# Altium PCB FPGAboard.PcbDoc (part 1 of 2) (continued)
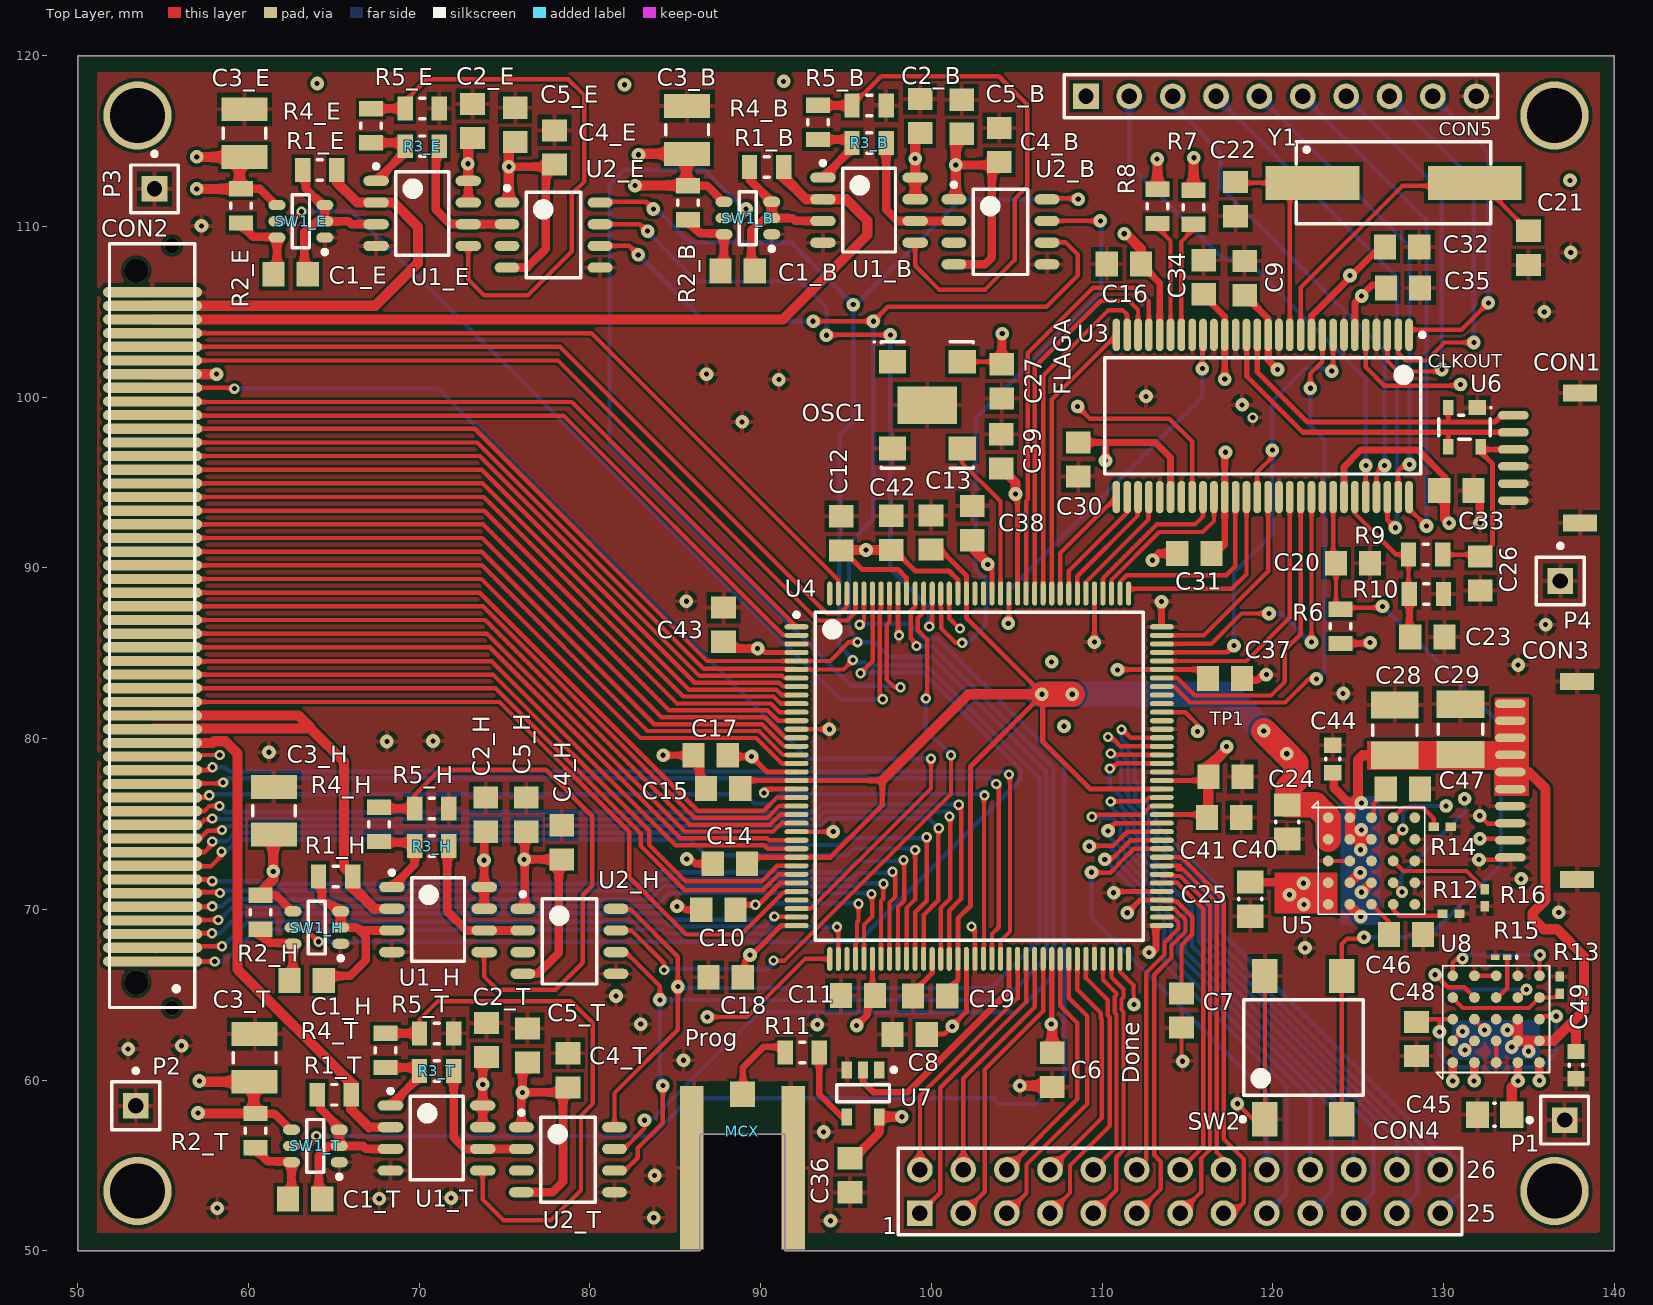
[diagram p0: Top Layer view]
## Footprints (in the part's own frame and the unit in brackets; to place one, negate y for a bottom-side part, rotate by r counter-clockwise, add the part's x,y. Pads: shape width x height; smd on the part's side, far side on the other; paste and mask are expansions set on the pad)
0402 [mm] "Chip Capacitor, Body 1.0x0.5mm, IPC High Density"
  rect 0.6x0.5 smd: 1(-0.5,0) 2(0.5,0)
  body extent -0.55,-0.3 0.55,0.3, height 1.3
0603 [mm] "Chip Inductor, Body 0.6x0.3mm, IPC High Density"
  rect 0.5x0.3 smd: 1(-0.35,0) 2(0.35,0)
  silkscreen extent -0.9,-0.05 -0.9,0.05, body extent -0.33,-0.18 0.33,0.18, height 0.55
0805_X7R_KEMET [mm]
  rect 1.3x1.45 smd: 1(-1,0) 2(1,0)
  body extent -0.9,-0.72 0.9,0.72, height 0.88
1210_X7R_KEMET_ABOVE4.7UF [mm]
  rect 1.4x2.7 smd: 1(-1.4,0) 2(1.4,0)
  silkscreen extent -0.3,-1.25 0.3,1.25, body extent -1.75,-1.35 1.75,1.35, height 2.8
ASVMB-100.000MHZ-XY-T [mm]
  rect 1.6x1.4 smd: 1(-2.04,2.54) 2(-2.04,-2.54) 3(2.04,-2.54) 4(2.04,2.54)
  rect 3.5x2.2 smd: 2(0,0)
  silkscreen extent -3.15,-3.7 2.7,3.75, body extent -2.55,-3.55 2.55,3.55, height 0.9
CAPC0603(1608)100_N [mm] "Chip Capacitor, Body 1.6x0.8mm, Height 1.0mm, IPC Medium Density"
  rect 0.9x1 smd: 1(-0.8,0) 2(0.8,0)
  silkscreen extent -0.05,-0.4 0.05,0.4, body extent -0.87,-0.48 0.88,0.47, height 1
CAPC0805(2012)145_M [mm] "Chip Capacitor, Body 2.0x1.2mm, Height 1.45mm, IPC Low Density"
  rect 1.35x1.55 smd: 1(-1,0) 2(1,0)
  silkscreen extent -0.05,-0.67 0.05,0.67, body extent -1.1,-0.72 1.1,0.72, height 1.45
CAPC1210(3225)220_M [mm] "Chip Capacitor, Body 3.2x2.5mm, Height 2.2mm, IPC Low Density"
  rect 1.6x2.8 smd: 1(-1.475,0) 2(1.475,0)
  silkscreen extent -0.3,-1.3 0.3,1.3, body extent -1.7,-1.35 1.7,1.35, height 2.2
CRCW0805_VISHAY [mm]
  rect 0.9x1.4 smd: 1(-1,0) 2(1,0)
  silkscreen extent -0.15,-0.6 0.15,0.6, body extent -1.1,-0.7 1.1,0.7, height 0.5
"HC-49S SMD 9C SERIES" [mm]
  rect 5.5x2 smd: 1(-4.75,0) 2(4.75,0)
  silkscreen extent -5.7,-2.4 5.7,2.4, body extent -6.2,-1.92 6.5,1.93, height 4.1
HDR1X10 [mm] "Connector; Header; 10 Position"
  rect 1.5x1.5 hole 0.9: 1(0,0)
  round 1.5 hole 0.9: 2(2.54,0) 3(5.08,0) 4(7.62,0) 5(10.16,0) 6(12.7,0) 7(15.24,0) 8(17.78,0) 9(20.32,0) 10(22.86,0)
  silkscreen extent -1.27,-1.27 24.13,1.27
HDR2X13 [mm] "Connector; Header; 13x2 Position"
  rect 1.5x1.5 hole 0.9: 1(0,0)
  round 1.5 hole 0.9: 2(0,2.54) 3(2.54,0) 4(2.54,2.54) 5(5.08,0) 6(5.08,2.54) 7(7.62,0) 8(7.62,2.54) 9(10.16,0) 10(10.16,2.54) 11(12.7,0) 12(12.7,2.54) 13(15.24,0) 14(15.24,2.54) 15(17.78,0) 16(17.78,2.54) 17(20.32,0) 18(20.32,2.54) 19(22.86,0) 20(22.86,2.54) 21(25.4,0) 22(25.4,2.54) 23(27.94,0) 24(27.94,2.54) 25(30.48,0) 26(30.48,2.54)
  silkscreen extent -1.27,-1.27 31.75,3.81
"LGA 25" [mm] "5x5 LGA"
  round 0.63 smd: A1(-2.54,-2.54) A2(-2.54,-1.27) A3(-2.54,0) A4(-2.54,1.27) A5(-2.54,2.54) B1(-1.27,-2.54) B2(-1.27,-1.27) B3(-1.27,0) B4(-1.27,1.27) B5(-1.27,2.54) C1(0,-2.54) C2(0,-1.27) C3(0,0) C4(0,1.27) C5(0,2.54) D1(1.27,-2.54) D2(1.27,-1.27) D3(1.27,0) D4(1.27,1.27) D5(1.27,2.54) E1(2.54,-2.54) E2(2.54,-1.27) E3(2.54,0) E4(2.54,1.27) E5(2.54,2.54)
  silkscreen extent -3.5,-3.5 3.13,3.13, body extent -3.13,-3.13 3.12,3.12, height 1.82
LSEM-150-XX.X-X-DV-A-X-XX-TR [mm]
  oval 5.8x0.6 smd: 1(0,11.6) 2(0,10.8) 3(0,10) 4(0,9.2) 5(0,8.4) 6(0,7.6) 7(0,6.8) 8(0,6) 9(0,5.2) 10(0,4.4) 11(0,3.6) 12(0,2.8) 13(0,2) 14(0,1.2) 15(0,0.4) 16(0,-0.4) 17(0,-1.2) 18(0,-2) 19(0,-2.8) 20(0,-3.6) 21(0,-4.4) 22(0,-5.2) 23(0,-6) 24(0,-6.8) 25(0,-7.6) 26(0,-8.4) 27(0,-9.2) 28(0,-10) 29(0,-10.8) 30(0,-11.6) 31(0,-12.4) 32(0,-13.2) 33(0,-14) 34(0,-14.8) 35(0,-15.6) 36(0,-16.4) 37(0,-17.2) 38(0,-18) 39(0,-18.8) 40(0,-19.6) 41(0,-20.4) 42(0,-21.2) 43(0,-22) 44(0,-22.8) 45(0,-23.6) 46(0,-24.4) 47(0,-25.2) 48(0,-26) 49(0,-26.8) 50(0,-27.6)
  silkscreen extent -2.49,-30.43 2.51,14.3, body extent -2.59,-30.3 2.54,14.2, height 5.6
MAX1240CESA+ [mm]
  oval 1.45x0.6 smd: 1(-2.725,1.905) 2(-2.725,0.635) 3(-2.725,-0.635) 4(-2.725,-1.905) 5(2.725,-1.905) 6(2.725,-0.635) 7(2.725,0.635) 8(2.725,1.905)
  silkscreen extent -2.85,-2.5 1.6,2.88, body extent -3,-2.5 3,2.5, height 1.75
MCP6N11 [mm] "SOIC, 8-Leads, Body 4.90x3.90mm, Pitch 1.27mm, IPC Medium Density"
  oval 1.5x0.6 smd: 1(-2.7,1.905) 2(-2.7,0.635) 3(-2.7,-0.635) 4(-2.7,-1.905) 5(2.7,-1.905) 6(2.7,-0.635) 7(2.7,0.635) 8(2.7,1.905)
  silkscreen extent -2.82,-2.45 1.55,2.88, body extent -3,-2.45 3,2.45, height 1.75
MCX [mm] "CONN MCX RCPT STR 50OHM EDGE MNT"
  rect 9.6x1.373 smd: GND(4.25,2.977) GND(4.25,-2.977)
  rect 1.5x1.45 smd: IN(-0.05,0)
  body extent -0.55,-3.35 8.75,3.35, height 3
PIN1 [mm] "Connector; Plug"
  rect 1.5x1.5 hole 0.9: 1(0,0)
  silkscreen extent -1.4,-1.4 1.4,2.17
"PTS645SM43SMTR92 LFS" [mm]
  rect 2x1.5 smd: 1(-4.2,2.25) 1(4.2,2.25) 2(-4.2,-2.25) 2(4.2,-2.25)
  silkscreen extent -4.32,-3.5 2.8,3.67, body extent -4.74,-3.5 4.74,3.5, height 4.3
SN74LVC1G04-Q1 [mm] "SOT23, 5-Leads, Body 2.90x2.80mm, Pitch 0.95mm, IPC Medium Density"
  rect 1x0.6 smd: 1(-1.375,0.95) 2(-1.375,0) 3(-1.375,-0.95) 4(1.375,-0.95) 5(1.375,0.95)
  silkscreen extent -1.5,-1.55 0.5,1.93, body extent -1.5,-1.53 1.5,1.53, height 1.45
SOT143B [mm] "SOT143, 4-Leads, Body 2.90x2.30mm, Pitch 1.90mm, IPC Medium Density"
  rect 0.9x1 smd: 1(-1.15,0.75)
  rect 0.9x0.6 smd: 2(-1.15,-0.95) 3(1.15,-0.95) 4(1.15,0.95)
  silkscreen extent -1.2,-1.5 0.7,1.6, body extent -1.15,-1.5 1.15,1.5, height 1.1
SSOP-56 [mm]
  oval 1.9x0.45 smd: 1(-4.75,8.572) 2(-4.75,7.937) 3(-4.75,7.302) 4(-4.75,6.667) 5(-4.75,6.032) 6(-4.75,5.397) 7(-4.75,4.762) 8(-4.75,4.127) 9(-4.75,3.492) 10(-4.75,2.857) 11(-4.75,2.222) 12(-4.75,1.587) 13(-4.75,0.952) 14(-4.75,0.317) 15(-4.75,-0.318) 16(-4.75,-0.953) 17(-4.75,-1.588) 18(-4.75,-2.223) 19(-4.75,-2.858) 20(-4.75,-3.493) 21(-4.75,-4.128) 22(-4.75,-4.763) 23(-4.75,-5.398) 24(-4.75,-6.033) 25(-4.75,-6.668) 26(-4.75,-7.303) 27(-4.75,-7.938) 28(-4.75,-8.573) 29(4.75,-8.572) 30(4.75,-7.937) 31(4.75,-7.302) 32(4.75,-6.667) 33(4.75,-6.032) 34(4.75,-5.397) 35(4.75,-4.762) 36(4.75,-4.127) 37(4.75,-3.492) 38(4.75,-2.857) 39(4.75,-2.222) 40(4.75,-1.587) 41(4.75,-0.952) 42(4.75,-0.317) 43(4.75,0.318) 44(4.75,0.953) 45(4.75,1.588) 46(4.75,2.223) 47(4.75,2.858) 48(4.75,3.493) 49(4.75,4.128) 50(4.75,4.763) 51(4.75,5.398) 52(4.75,6.033) 53(4.75,6.668) 54(4.75,7.303) 55(4.75,7.938) 56(4.75,8.573)
  silkscreen extent -4.87,-9.25 3.4,9.47, body extent -5.18,-9.25 5.18,9.25, height 2.79
T1M-06-F-SH-L-K [mm]
  oval 0.5x1.8 smd: 1(5,0) 2(4,0) 3(3,0) 4(2,0) 5(1,0) 6(0,0)
  rect 1x2 smd: GND(-1.3,-3.9) GND(6.3,-3.9)
  body extent -1.7,-5.48 6.7,0.42, height 4.72
T1M-10-F-SH-L-K [mm]
  oval 0.5x1.8 smd: 1(0,0) 2(-1,0) 3(-2,0) 4(-3,0) 5(-4,0) 6(-5,0) 7(-6,0) 8(-7,0) 9(-8,0) 10(-9,0)
  rect 1x2 smd: GND(-10.3,-3.9) GND(1.3,-3.9)
  body extent -10.7,-5.47 1.7,0.42, height 4.7
TP [mm] "Test point"
  round 0.8 hole 0.3: 1(0,0)
TPS27082L [mm]
  oval 1x0.6 smd: 1(-1.4,0.95) 2(-1.4,0) 3(-1.4,-0.95) 4(1.4,-0.95) 5(1.4,0) 6(1.4,0.95)
  silkscreen extent -1.53,-1.55 0.5,1.92, body extent -1.39,-1.55 1.39,1.55, height 1.1
TQG144 [mm] "TQG144, 144-Leads, Body 20.00x20.00mm, Pitch 0.50mm,"
  oval 1.4x0.3 smd: 1(-10.7,8.75) 2(-10.7,8.25) 3(-10.7,7.75) 4(-10.7,7.25) 5(-10.7,6.75) 6(-10.7,6.25) 7(-10.7,5.75) 8(-10.7,5.25) 9(-10.7,4.75) 10(-10.7,4.25) 11(-10.7,3.75) 12(-10.7,3.25) 13(-10.7,2.75) 14(-10.7,2.25) 15(-10.7,1.75) 16(-10.7,1.25) 17(-10.7,0.75) 18(-10.7,0.25) 19(-10.7,-0.25) 20(-10.7,-0.75) 21(-10.7,-1.25) 22(-10.7,-1.75) 23(-10.7,-2.25) 24(-10.7,-2.75) 25(-10.7,-3.25) 26(-10.7,-3.75) 27(-10.7,-4.25) 28(-10.7,-4.75) 29(-10.7,-5.25) 30(-10.7,-5.75) 31(-10.7,-6.25) 32(-10.7,-6.75) 33(-10.7,-7.25) 34(-10.7,-7.75) 35(-10.7,-8.25) 36(-10.7,-8.75) 73(10.7,-8.75) 74(10.7,-8.25) 75(10.7,-7.75) 76(10.7,-7.25) 77(10.7,-6.75) 78(10.7,-6.25) 79(10.7,-5.75) 80(10.7,-5.25) 81(10.7,-4.75) 82(10.7,-4.25) 83(10.7,-3.75) 84(10.7,-3.25) 85(10.7,-2.75) 86(10.7,-2.25) 87(10.7,-1.75) 88(10.7,-1.25) 89(10.7,-0.75) 90(10.7,-0.25) 91(10.7,0.25) 92(10.7,0.75) 93(10.7,1.25) 94(10.7,1.75) 95(10.7,2.25) 96(10.7,2.75) 97(10.7,3.25) 98(10.7,3.75) 99(10.7,4.25) 100(10.7,4.75) 101(10.7,5.25) 102(10.7,5.75) 103(10.7,6.25) 104(10.7,6.75) 105(10.7,7.25) 106(10.7,7.75) 107(10.7,8.25) 108(10.7,8.75)
  oval 0.3x1.4 smd: 37(-8.75,-10.7) 38(-8.25,-10.7) 39(-7.75,-10.7) 40(-7.25,-10.7) 41(-6.75,-10.7) 42(-6.25,-10.7) 43(-5.75,-10.7) 44(-5.25,-10.7) 45(-4.75,-10.7) 46(-4.25,-10.7) 47(-3.75,-10.7) 48(-3.25,-10.7) 49(-2.75,-10.7) 50(-2.25,-10.7) 51(-1.75,-10.7) 52(-1.25,-10.7) 53(-0.75,-10.7) 54(-0.25,-10.7) 55(0.25,-10.7) 56(0.75,-10.7) 57(1.25,-10.7) 58(1.75,-10.7) 59(2.25,-10.7) 60(2.75,-10.7) 61(3.25,-10.7) 62(3.75,-10.7) 63(4.25,-10.7) 64(4.75,-10.7) 65(5.25,-10.7) 66(5.75,-10.7) 67(6.25,-10.7) 68(6.75,-10.7) 69(7.25,-10.7) 70(7.75,-10.7) 71(8.25,-10.7) 72(8.75,-10.7) 109(8.75,10.7) 110(8.25,10.7) 111(7.75,10.7) 112(7.25,10.7) 113(6.75,10.7) 114(6.25,10.7) 115(5.75,10.7) 116(5.25,10.7) 117(4.75,10.7) 118(4.25,10.7) 119(3.75,10.7) 120(3.25,10.7) 121(2.75,10.7) 122(2.25,10.7) 123(1.75,10.7) 124(1.25,10.7) 125(0.75,10.7) 126(0.25,10.7) 127(-0.25,10.7) 128(-0.75,10.7) 129(-1.25,10.7) 130(-1.75,10.7) 131(-2.25,10.7) 132(-2.75,10.7) 133(-3.25,10.7) 134(-3.75,10.7) 135(-4.25,10.7) 136(-4.75,10.7) 137(-5.25,10.7) 138(-5.75,10.7) 139(-6.25,10.7) 140(-6.75,10.7) 141(-7.25,10.7) 142(-7.75,10.7) 143(-8.25,10.7) 144(-8.75,10.7)
  silkscreen extent -10.82,-9.6 9.6,9.6, body extent -11,-11 11,11, height 1.6

## Part data
C1_B C1_E C1_H C1_T C4_B C4_E C4_H C4_T: Capacitance=10µF, Capacitance Tolerance="± 20%", Capacitor Case Style="0805 [2012 Metric]", Dielectric Characteristic=X7R, Manufacturer=Kemet, Operating Temperature Max=125°C, Operating Temperature Min=-55°C, Supplier Part Number 1=399-7413-1-ND, Voltage Rating=10V, Ceramic Capacitor Case="0805 [2012 Metric]", ComponentLink1Description=https://datasheet.ciiva.com/5408/kem-c1002-x7r-smd-5408794.pdf, ComponentLink1URL=https://datasheet.ciiva.com/5408/kem-c1002-x7r-smd-5408794.pdf, Manufacturer Part Number=C0805C106M8RACTU, MSL="MSL 1 - Unlimited", Packaging="Tape & Reel", Pricing 1="1=0.52, 10=0.362, 25=0.2972, 50=0.2536, 100=0.2174, 250=0.1811, 500=0.163, 1000=0.1377 (USD)", Product Range="KEMET - C Series", Stock 1=17950, Supplier 1=Digikey, SVHC="No SVHC (16-Jun-2014)"
C2_B C2_E C2_H C2_T C5_B C5_E C5_H C5_T C6 C7 C8 C9 C10 C11 C12 C13 C14 C15 C16 C17 C18 C19 C26 C27 C30 C31 C32 C33 C34 C35 C36 C37 C38 C39 C40 C41 C42 C43 C46 C47 C48: Capacitance="0.1 µF", Case Size="0805 (2012 mm)", Dielectric Characteristic=X7R, Manufacturer=Kemet, Manufacturer Part Number=C0805C104K5RAC-TU, Supplier Part Number 1=399-1170-1-ND, Tolerance="-10, +10 %", Voltage, Rating="50 VDC", Brand/Series="C Series", ComponentLink1Description=https://datasheet.ciiva.com/14589/70095383-14589048.pdf, ComponentLink1URL=https://datasheet.ciiva.com/14589/70095383-14589048.pdf, ComponentLink2Description=https://datasheet.ciiva.com/28682/1851736-28682232.pdf, ComponentLink2URL=https://datasheet.ciiva.com/28682/1851736-28682232.pdf, ComponentLink3Description=https://datasheet.ciiva.com/7842/1851736-7842539.pdf, ComponentLink3URL=https://datasheet.ciiva.com/7842/1851736-7842539.pdf, ComponentLink4Description=https://datasheet.ciiva.com/32431/slceramic-chip-condensers-e-32431755.pdf, ComponentLink4URL=https://datasheet.ciiva.com/32431/slceramic-chip-condensers-e-32431755.pdf, ComponentLink5Description=https://datasheet.ciiva.com/18410/70095383-18410815.pdf, ComponentLink5URL=https://datasheet.ciiva.com/18410/70095383-18410815.pdf, Dimensions="0.079\" x 0.049\" (2 x 1.25mm) LxW", Material, Element=Ceramic, Mounting Type=PCB, Packaging="Cut Tape", Pricing 1="1=0.1, 10=0.053, 25=0.0388, 50=0.029, 100=0.0237, 250=0.0198, 500=0.0169, 1000=0.0133 (USD)", Stock 1=2895664, Supplier 1=Digikey, Termination=SMD
C3_B C3_E C3_H C3_T: Capacitance=47µF, Manufacturer=Kemet, Operating Temperature="-55°C ~ 125°C", Package / Case="1210 (3225 Metric)", Ratings=-, Supplier Part Number 1=399-12072-1-ND, Temperature Coefficient=X7R, Tolerance=±20%, Voltage - Rated=10V, Applications="General Purpose", Category=Capacitors, ComponentLink1Description=http://www.alliedelec.com/m/d/51f554c3dd800f51434b811e71a34895.pdf, ComponentLink1URL=http://www.alliedelec.com/m/d/51f554c3dd800f51434b811e71a34895.pdf, Family="Ceramic Capacitors", Features=-, Height - Seated (Max)=-, Lead Spacing=-, Lead Style=-, Manufacturer Part Number=C1210C476M8RAC7800, Mounting Type="Surface Mount, MLCC", Packaging="Tape &amp; Reel (TR)", Pricing 1="1=1.47, 10=1.159, 25=1.0628, 50=1.0046, 100=0.8694, 250=0.7728, 500=0.6569 (USD)", Series=C, Size / Dimension="0.126\" L x 0.098\" W (3.20mm x 2.50mm)", Stock 1=9455, Supplier 1=Digikey, Thickness (Max)="0.110\" (2.80mm)"
C20 C23: Capacitance="0.47 uF", Capacitance - nF="470 nF", Capacitance - pF="470000 pF", Case Code - in=0805, Case Code - mm=2012, Case Height="1 mm", Case Length="2 mm", Case Width="1.2 mm", Dielectric=X7R, Manufacturer=KEMET, Maximum Operating Temperature="+ 125 C", Minimum Operating Temperature="- 55 C", Operating Temperature Range="- 55 C to + 125 C", Package / Case="0805 (2012 metric)", Supplier Part Number 1=399-8100-1-ND, Temperature Coefficient / Code="+/- 15 %", Tolerance="10 %", Voltage Rating="50 V", Brand=Kemet, Class="Class 1", ComponentLink1Description=https://datasheet.ciiva.com/7842/1851736-7842613.pdf, ComponentLink1URL=https://datasheet.ciiva.com/7842/1851736-7842613.pdf, ComponentLink2Description=https://datasheet.ciiva.com/28688/1851736-28688678.pdf, ComponentLink2URL=https://datasheet.ciiva.com/28688/1851736-28688678.pdf, ComponentLink3Description=https://datasheet.ciiva.com/6126/kem-c1002-x7r-smd-6126343.pdf, ComponentLink3URL=https://datasheet.ciiva.com/6126/kem-c1002-x7r-smd-6126343.pdf, ComponentLink4Description=https://datasheet.ciiva.com/28614/1918693-28614762.pdf, ComponentLink4URL=https://datasheet.ciiva.com/28614/1918693-28614762.pdf, ComponentLink5Description=https://datasheet.ciiva.com/5411/kem-c1002-x7r-smd-5411451.pdf, ComponentLink5URL=https://datasheet.ciiva.com/5411/kem-c1002-x7r-smd-5411451.pdf, ComponentLink6Description=https://datasheet.ciiva.com/14604/70095383-14604428.pdf, ComponentLink6URL=https://datasheet.ciiva.com/14604/70095383-14604428.pdf, ComponentLink7Description=https://datasheet.ciiva.com/14589/70095383-14589439.pdf, ComponentLink7URL=https://datasheet.ciiva.com/14589/70095383-14589439.pdf, Dimensions="1.2 mm W x 2 mm L x 1 mm H", Factory Pack Quantity=2500, Manufacturer Part Number=C0805C474K5RACTU, Packaging=Reel, Part # Aliases=C0805C474K5RAC7800, Pricing 1="1=0.28, 10=0.193, 100=0.1092, 500=0.0771, 1000=0.0675 (USD)", Product="General Type MLCCs", Product Category="Multilayer Ceramic Capacitors MLCC - SMD/SMT", RoHS=Details, Series=C0805C, Stock 1=94831, Supplier 1=Digikey, Termination Style=SMD/SMT, Type="SMD MLCC X7R 6.3 - 250 VDC Commerical Grade", Voltage Rating DC="50 V"
C21 C22: Capacitance="12 pF", Case Code - in=0805, Case Code - mm=2012, Case Height="0.78 mm", Case Length="2 mm", Case Width="1.2 mm", Dielectric="C0G (NP0)", Manufacturer=KEMET, Maximum Operating Temperature="+ 125 C", Minimum Operating Temperature="- 55 C", Operating Temperature Range="- 55 C to + 125 C", Package / Case="0805 (2012 metric)", Supplier Part Number 1=399-1110-1-ND, Temperature Coefficient / Code="+/- 30 PPM / C", Tolerance="5 %", Voltage Rating="50 V", Brand=Kemet, Class="Class 1", ComponentLink1Description=https://datasheet.ciiva.com/144/docfinderpartnumber-c0805c120j5gactu-144980.pdf, ComponentLink1URL=https://datasheet.ciiva.com/144/docfinderpartnumber-c0805c120j5gactu-144980.pdf, ComponentLink2Description=https://datasheet.ciiva.com/11463/kem-c1003-c0g-smd-11463493.pdf, ComponentLink2URL=https://datasheet.ciiva.com/11463/kem-c1003-c0g-smd-11463493.pdf, ComponentLink3Description=https://datasheet.ciiva.com/18193/getdatasheetpartid-179336-18193526.pdf, ComponentLink3URL=https://datasheet.ciiva.com/18193/getdatasheetpartid-179336-18193526.pdf, ComponentLink4Description=https://datasheet.ciiva.com/5418/kem-c1003-c0g-smd-356956-5418089.pdf, ComponentLink4URL=https://datasheet.ciiva.com/5418/kem-c1003-c0g-smd-356956-5418089.pdf, ComponentLink5Description=https://datasheet.ciiva.com/6136/1732692-6136713.pdf, ComponentLink5URL=https://datasheet.ciiva.com/6136/1732692-6136713.pdf, ComponentLink6Description=https://datasheet.ciiva.com/7842/1732692-7842203.pdf, ComponentLink6URL=https://datasheet.ciiva.com/7842/1732692-7842203.pdf, ComponentLink7Description=https://datasheet.ciiva.com/7842/1732692-7842204.pdf, ComponentLink7URL=https://datasheet.ciiva.com/7842/1732692-7842204.pdf, ComponentLink8Description=https://datasheet.ciiva.com/14586/70095383-14586716.pdf, ComponentLink8URL=https://datasheet.ciiva.com/14586/70095383-14586716.pdf, ComponentLink9Description=https://datasheet.ciiva.com/28696/1789732-28696013.pdf, ComponentLink9URL=https://datasheet.ciiva.com/28696/1789732-28696013.pdf, Dimensions="1.2 mm W x 2 mm L x 0.78 mm H", Dissipation Factor DF=0.1, Factory Pack Quantity=4000, Lead Spacing="0.75 mm", Manufacturer Part Number=C0805C120J5GACTU, Packaging=Reel, Part # Aliases=C0805C120J5GAC7800, Pricing 1="1=0.12, 10=0.085, 100=0.0402, 500=0.0282, 1000=0.0233 (USD)", Product="General Type MLCCs", Product Category="Multilayer Ceramic Capacitors MLCC - SMD/SMT", RoHS=Details, Series=C0805C, Stock 1=56795, Supplier 1=Digikey, Termination Style=SMD/SMT, Type="SMD MLCC C0G 10 - 250 VDC Commercial Grade", Voltage Rating DC="50 V"
C24 C25 C45: library part CMP-1036-04876-1, "GRM21BR60J476ME15L", Case-EIA=0805, Case-Metric=2012, Rated Voltage="6.3 V", Tolerance=Â±10%, Max Thickness="1.45 mm", Technology=SMT
C28 C29: library part CMP-1038-02286-1, "C1210C226M3PACTU", Case-EIA=1210, Case-Metric=3225, Rated Voltage="25 V", Tolerance="-20% to +80%", Max Thickness="2.2 mm", Technology=SMT
C44 C49: library part CMP-1035-01192-1, "GRM188C81E475KE11D", Case-EIA=0603, Case-Metric=1608, Rated Voltage="25 V", Tolerance=Â±10%, Max Thickness="1 mm", Technology=SMT
CLKOUT Done FLAGA Prog TP1: "Test point"
CON1: "6 Positions Header Connector Surface Mount, Right Angle", Manufacturer=Samtec, Supplier Part Number 1=SAM11991-ND, Manufacturer Part Number=T1M-06-F-SH-L-K, Stock 1=0, Supplier 1=Digi-Key
CON2: "SAMTEC connector"
CON3: "10 Positions Header Connector Surface Mount, Right Angle"
CON4: "Header, 13-Pin, Dual row", LatestRevisionDate=17-Jul-2002, LatestRevisionNote="Re-released for DXP Platform.", Publisher="Altium Limited"
CON5: "Header, 10-Pin", LatestRevisionDate=17-Jul-2002, LatestRevisionNote="Re-released for DXP Platform.", Publisher="Altium Limited"
MCX: "CONN MCX RCPT STR 50OHM EDGE MNT", Dielectric Material="Polytetrafluoroethylene (PTFE)", Frequency - Max=6GHz, Housing Color=Gold, Manufacturer=Molex, Operating Temperature="-55°C ~ 155°C", Standard Package=1,000, Supplier Part Number 1=WM9351CT-ND, Voltage Rating=335V, Body Finish=Gold, Body Material=Brass, Cable Group=-, Category="Connectors, Interconnects", Center Contact Material="Beryllium Copper", Center Contact Plating=Gold, ComponentLink1Description=https://datasheet.ciiva.com/7002/0734151061-rf-coax-connectors-7002503.pdf, ComponentLink1URL=https://datasheet.ciiva.com/7002/0734151061-rf-coax-connectors-7002503.pdf, ComponentLink2Description=https://datasheet.ciiva.com/7002/0734151061-rf-coax-connectors-7002509.pdf, ComponentLink2URL=https://datasheet.ciiva.com/7002/0734151061-rf-coax-connectors-7002509.pdf, Connector Style=MCX, Connector Type="Receptacle, Female Socket", Contact Termination=Solder, Family="Coaxial Connectors (RF)", Fastening Type=Snap-On, Featured Product="MCX RF Connectors", Features=-, Impedance="50 Ohm", Ingress Protection=-, Manufacturer Part Number=0734151061, Mounting Type="Board Edge, Cutout", Online Catalog="MCX, 73366 and 73415 Series", Other Names="0734-15-1061  073415-1061  0734151061-ND  73415-1061  734151061  WM9351-2-ND  WM9351TR", Packaging="Tape & Reel (TR)", Pricing 1="1=5.45, 10=5.23, 25=4.7944, 50=4.5764, 100=4.3584, 250=3.8136, 500=3.7047 (USD)", RoHS Information="0734151061 Cert of Compliance", Series=73415, Shield Termination=Solder, Stock 1=18986, Supplier 1=Digi-Key
OSC1: Frequency Stability="±10 ppm", Load Capacitance="15 pF", Manufacturer=Abracon, Package="4QFN EP", Standard Frequency="100 MHz", Supplier Part Number 1=535-11246-1-ND, Category="SMD Crystal Oscillator", ComponentLink1Description=https://datasheet.ciiva.com/13167/asvmb-35165-13167142.pdf, ComponentLink1URL=https://datasheet.ciiva.com/13167/asvmb-35165-13167142.pdf, ComponentLink2Description=https://datasheet.ciiva.com/866/asvmb-866791.pdf, ComponentLink2URL=https://datasheet.ciiva.com/866/asvmb-866791.pdf, ComponentLink3Description=https://datasheet.ciiva.com/866/asvmb-866792.pdf, ComponentLink3URL=https://datasheet.ciiva.com/866/asvmb-866792.pdf, ComponentLink4Description=https://datasheet.ciiva.com/866/asvmb-866793.pdf, ComponentLink4URL=https://datasheet.ciiva.com/866/asvmb-866793.pdf, Manufacturer Part Number=ASVMB-100.000MHZ-XY-T, Packaging="Tape & Reel", Pricing 1="1=2.51, 10=2.449, 50=2.332, 100=2.0405, 500=1.9822 (USD)", Rad Hard=No, Stock 1=1752, Supplier 1=Digikey, Type="Silicon Oscillator"
R1_B R1_E R1_H R1_T: "10 mOhms ±1% 0.5W, 1/2W Chip Resistor 0805 (2012 Metric)", Case Code - in=0805, Case Code - mm=2012, Manufacturer="Vishay Dale", Operating Temperature Range="- 65 C to + 170 C", Package / Case="0805 (2012 metric)", Power Rating="500 mW (1/2 W)", Resistance="0.01 Ohms", Supplier Part Number 1=WSLPB-.01CT-ND, Temperature Coefficient="75 PPM / C", Tolerance="1 %", Brand="Vishay / Dale", ComponentLink1Description=http://www.mouser.com/ds/2/427/wslp-101920.pdf, ComponentLink1URL=http://www.mouser.com/ds/2/427/wslp-101920.pdf, ComponentLink2Description=http://www.vishay.com/docs/30122/wslp.pdf, ComponentLink2URL=http://www.vishay.com/docs/30122/wslp.pdf, Factory Pack Quantity=1000, Height="0.33 mm", Length="2 mm", Manufacturer Part Number=WSLP0805R0100FEB, Packaging=Reel, Pricing 1="1=1.27, 10=1.125, 25=1.0344, 50=0.9438, 100=0.8168, 250=0.6897, 500=0.5808 (USD)", Product="Metal Foil Current Sensing Resistors", Product Category="Current Sense Resistors - SMD", RoHS=True, Series=WSLP, Stock 1=6918, Supplier 1=Digi-Key, Technology="Metal Element", Termination Style=SMD/SMT, Type="Power Metal Strip Resistors, Very High Power (to 3 W), Low Value (down to 0.0005 Ohms), Surface Mount", Unit Weight="0.000194 oz", Width="1.2 mm"
R2_B R2_E R2_H R2_T: Case Code - in=0805, Case Code - mm=2012, Case Height="0.45 mm", Case Length="2 mm", Case Width="1.25 mm", Manufacturer=Vishay, Operating Temperature Range="- 55 C to + 155 C", Package / Case="0805 (2012 metric)", Power Rating="125 mW (1/8 W)", Resistance="127 kOhms", Supplier Part Number 1=541-127KCCT-ND, Temperature Coefficient="100 PPM / K", Tolerance="1 %", Voltage Rating="150 V", Brand="Vishay / Dale", ComponentLink1Description=https://datasheet.ciiva.com/22708/1697337-22708087.pdf, ComponentLink1URL=https://datasheet.ciiva.com/22708/1697337-22708087.pdf, ComponentLink2Description=https://datasheet.ciiva.com/7714/1697337-7714264.pdf, ComponentLink2URL=https://datasheet.ciiva.com/7714/1697337-7714264.pdf, ComponentLink3Description=https://datasheet.ciiva.com/7714/1697337-7714265.pdf, ComponentLink3URL=https://datasheet.ciiva.com/7714/1697337-7714265.pdf, ComponentLink4Description=https://datasheet.ciiva.com/7725/66915-7725786.pdf, ComponentLink4URL=https://datasheet.ciiva.com/7725/66915-7725786.pdf, ComponentLink5Description=https://datasheet.ciiva.com/22675/1847332-22675882.pdf, ComponentLink5URL=https://datasheet.ciiva.com/22675/1847332-22675882.pdf, ComponentLink6Description=https://datasheet.ciiva.com/2495/dcrcwe3-2495707.pdf, ComponentLink6URL=https://datasheet.ciiva.com/2495/dcrcwe3-2495707.pdf, ComponentLink7Description=https://datasheet.ciiva.com/2495/dcrcwe3-2495708.pdf, ComponentLink7URL=https://datasheet.ciiva.com/2495/dcrcwe3-2495708.pdf, ComponentLink8Description=https://datasheet.ciiva.com/2495/dcrcwe3-2495709.pdf, ComponentLink8URL=https://datasheet.ciiva.com/2495/dcrcwe3-2495709.pdf, ComponentLink9Description=https://datasheet.ciiva.com/3258/dcrcwe3-3258077.pdf, ComponentLink9URL=https://datasheet.ciiva.com/3258/dcrcwe3-3258077.pdf, ComponentLink10Description=https://datasheet.ciiva.com/16435/dcrcwe3-16435949.pdf, ComponentLink10URL=https://datasheet.ciiva.com/16435/dcrcwe3-16435949.pdf, ComponentLink11Description=https://datasheet.ciiva.com/3258/dcrcwe3-3258078.pdf, ComponentLink11URL=https://datasheet.ciiva.com/3258/dcrcwe3-3258078.pdf, Factory Pack Quantity=5000, Manufacturer Part Number=CRCW0805127KFKEA, Packaging=Reel, Pricing 1="1=0.1, 10=0.046, 100=0.0187, 1000=0.0084, 2500=0.0073 (USD)", Product="Thick Film Resistors SMD", Product Category="Thick Film Resistors - SMD", RoHS=Details, Series=CRCW, Stock 1=10656, Supplier 1=Digikey, Unit Weight="0.000194 oz"
R3_B R3_E R3_H R3_T R6 R9 R10: Case Code - in=0805, Case Code - mm=2012, Case Height="0.45 mm", Case Length="2 mm", Case Width="1.25 mm", Manufacturer=Vishay, Manufacturer Part Number=CRCW080510K0FKEA, Operating Temperature Range="- 55 C to + 155 C", Package / Case="0805 (2012 metric)", Power Rating="125 mW (1/8 W)", Resistance="10 kOhms", Supplier Part Number 1=541-10.0KCCT-ND, Temperature Coefficient="100 PPM / K", Tolerance="1 %", Voltage Rating="150 V", Brand="Vishay / Dale", ComponentLink1Description=https://datasheet.ciiva.com/5547/dcrcwe3-109170-5547559.pdf, ComponentLink1URL=https://datasheet.ciiva.com/5547/dcrcwe3-109170-5547559.pdf, ComponentLink2Description=https://datasheet.ciiva.com/11808/0900766b80d98b26-11808216.pdf, ComponentLink2URL=https://datasheet.ciiva.com/11808/0900766b80d98b26-11808216.pdf, ComponentLink3Description=https://datasheet.ciiva.com/16719/70201119-16719082.pdf, ComponentLink3URL=https://datasheet.ciiva.com/16719/70201119-16719082.pdf, ComponentLink4Description=https://datasheet.ciiva.com/16514/dcrcwe3-16514907.pdf, ComponentLink4URL=https://datasheet.ciiva.com/16514/dcrcwe3-16514907.pdf, ComponentLink5Description=https://datasheet.ciiva.com/16883/dcrcwe3-16883708.pdf, ComponentLink5URL=https://datasheet.ciiva.com/16883/dcrcwe3-16883708.pdf, ComponentLink6Description=https://datasheet.ciiva.com/8337/dcrcwe3-8337773.pdf, ComponentLink6URL=https://datasheet.ciiva.com/8337/dcrcwe3-8337773.pdf, ComponentLink7Description=https://datasheet.ciiva.com/16755/70201119-16755389.pdf, ComponentLink7URL=https://datasheet.ciiva.com/16755/70201119-16755389.pdf, ComponentLink8Description=https://datasheet.ciiva.com/46394/1720486-46394381.pdf, ComponentLink8URL=https://datasheet.ciiva.com/46394/1720486-46394381.pdf, ComponentLink9Description=https://datasheet.ciiva.com/8337/dcrcwe3-8337774.pdf, ComponentLink9URL=https://datasheet.ciiva.com/8337/dcrcwe3-8337774.pdf, ComponentLink10Description=https://datasheet.ciiva.com/16199/dcrcwe3-16199086.pdf, ComponentLink10URL=https://datasheet.ciiva.com/16199/dcrcwe3-16199086.pdf, Factory Pack Quantity=5000, Packaging=Reel, Pricing 1="1=0.1, 10=0.042, 25=0.0304, 50=0.0232, 100=0.017, 250=0.013, 500=0.0104, 1000=0.0077 (USD)", Product="Thick Film Resistors SMD", Product Category="Thick Film Resistors - SMD", RoHS=Details, Series=CRCW, Stock 1=0, Supplier 1=Digikey, Unit Weight="0.000194 oz"
R4_B R4_E R4_H R4_T: "RES SMD 100 OHM 0.5% 1/8W 0805", Manufacturer="Vishay Dale", Operating Temperature="-55°C ~ 155°C", Package / Case="0805 (2012 Metric)", Power (Watts)="0.125W, 1/8W", Resistance (Ohms)="100 Ohms", Standard Package=1, Supplier Part Number 1=541-100AZCT-ND, Temperature Coefficient=±50ppm/°C, Tolerance=±0.5%, Category=Resistors, ComponentLink1Description=https://datasheet.ciiva.com/6566/dcrcwpe3-6566555.pdf, ComponentLink1URL=https://datasheet.ciiva.com/6566/dcrcwpe3-6566555.pdf, ComponentLink2Description=https://datasheet.ciiva.com/6566/dcrcwpe3-6566556.pdf, ComponentLink2URL=https://datasheet.ciiva.com/6566/dcrcwpe3-6566556.pdf, ComponentLink3Description=https://datasheet.ciiva.com/6566/dcrcwpe3-6566558.pdf, ComponentLink3URL=https://datasheet.ciiva.com/6566/dcrcwpe3-6566558.pdf, Composition="Thick Film", EDA / CAD Models="Download from Accelerated Designs", Family="Chip Resistor - Surface Mount", Features="Automotive AEC-Q200", Height="0.020\" (0.50mm)", Manufacturer Part Number=CRCW0805100RDHEAP, Number of Terminations=2, Online Catalog="CRCW-P e3 Series", Other Names=541-100AZCT, Packaging="Cut Tape (CT)", Pricing 1="1=0.31, 10=0.266, 100=0.1041, 1000=0.0436, 2500=0.0399 (USD)", Series=CRCW-P, Size / Dimension="0.079\" L x 0.049\" W (2.00mm x 1.25mm)", Stock 1=4321, Supplier 1=Digi-Key, Supplier Device Package="0805 (2012 Metric)"
R5_B R5_E R5_H R5_T R11: Manufacturer=Vishay, Operating Temperature="-55°C ~ 155°C", Package / Case="0805 (2012 Metric)", Power (Watts)="0.125W, 1/8W", Resistance (Ohms)=0.0, Standard Package=1, Supplier Part Number 1=541-0.0ACT-ND, Temperature Coefficient=-, Tolerance=Jumper, Category=Resistors, ComponentLink1Description=https://datasheet.ciiva.com/16883/dcrcwe3-16883622.pdf, ComponentLink1URL=https://datasheet.ciiva.com/16883/dcrcwe3-16883622.pdf, ComponentLink2Description=https://datasheet.ciiva.com/26314/fld-crcw-e3-data-en-26314630.pdf, ComponentLink2URL=https://datasheet.ciiva.com/26314/fld-crcw-e3-data-en-26314630.pdf, ComponentLink3Description=https://datasheet.ciiva.com/5543/dcrcwe3-109170-5543096.pdf, ComponentLink3URL=https://datasheet.ciiva.com/5543/dcrcwe3-109170-5543096.pdf, ComponentLink4Description=https://datasheet.ciiva.com/11811/0900766b80d98b26-11811304.pdf, ComponentLink4URL=https://datasheet.ciiva.com/11811/0900766b80d98b26-11811304.pdf, ComponentLink5Description=https://datasheet.ciiva.com/16389/dcrcwe3-16389338.pdf, ComponentLink5URL=https://datasheet.ciiva.com/16389/dcrcwe3-16389338.pdf, ComponentLink6Description=https://datasheet.ciiva.com/16719/70201119-16719706.pdf, ComponentLink6URL=https://datasheet.ciiva.com/16719/70201119-16719706.pdf, ComponentLink7Description=https://datasheet.ciiva.com/2463/dcrcwe3-2463037.pdf, ComponentLink7URL=https://datasheet.ciiva.com/2463/dcrcwe3-2463037.pdf, ComponentLink8Description=https://datasheet.ciiva.com/7841/1697337-7841629.pdf, ComponentLink8URL=https://datasheet.ciiva.com/7841/1697337-7841629.pdf, ComponentLink9Description=https://datasheet.ciiva.com/2463/dcrcwe3-2463038.pdf, ComponentLink9URL=https://datasheet.ciiva.com/2463/dcrcwe3-2463038.pdf, ComponentLink10Description=https://datasheet.ciiva.com/2463/dcrcwe3-2463039.pdf, ComponentLink10URL=https://datasheet.ciiva.com/2463/dcrcwe3-2463039.pdf, ComponentLink11Description=https://datasheet.ciiva.com/7841/1720486-7841839.pdf, ComponentLink11URL=https://datasheet.ciiva.com/7841/1720486-7841839.pdf, Composition="Thick Film", EDA / CAD Models="Download from Accelerated Designs", Family="Chip Resistor - Surface Mount", Features="Automotive AEC-Q200", Height="0.020\" (0.50mm)", Kits="541-1420-ND  - RESISTOR KIT 0-1M 1/8W 6100PCS", Manufacturer Part Number=CRCW08050000Z0EA, Number of Terminations=2, Online Catalog="CRCW - Automotive Series", Other Names=541-0.0ACT, Packaging="Cut Tape (CT)", Pricing 1="1=0.1, 10=0.026, 25=0.0184, 50=0.014, 100=0.0104, 250=0.0079, 500=0.0063, 1000=0.0047 (USD)", Series=CRCW, Size / Dimension="0.079\" L x 0.049\" W (2.00mm x 1.25mm)", Stock 1=1015935, Supplier 1=Digikey, Supplier Device Package="0805 (2012 Metric)"